# Allegro board MB1219_REVB_160112.brd (continued)
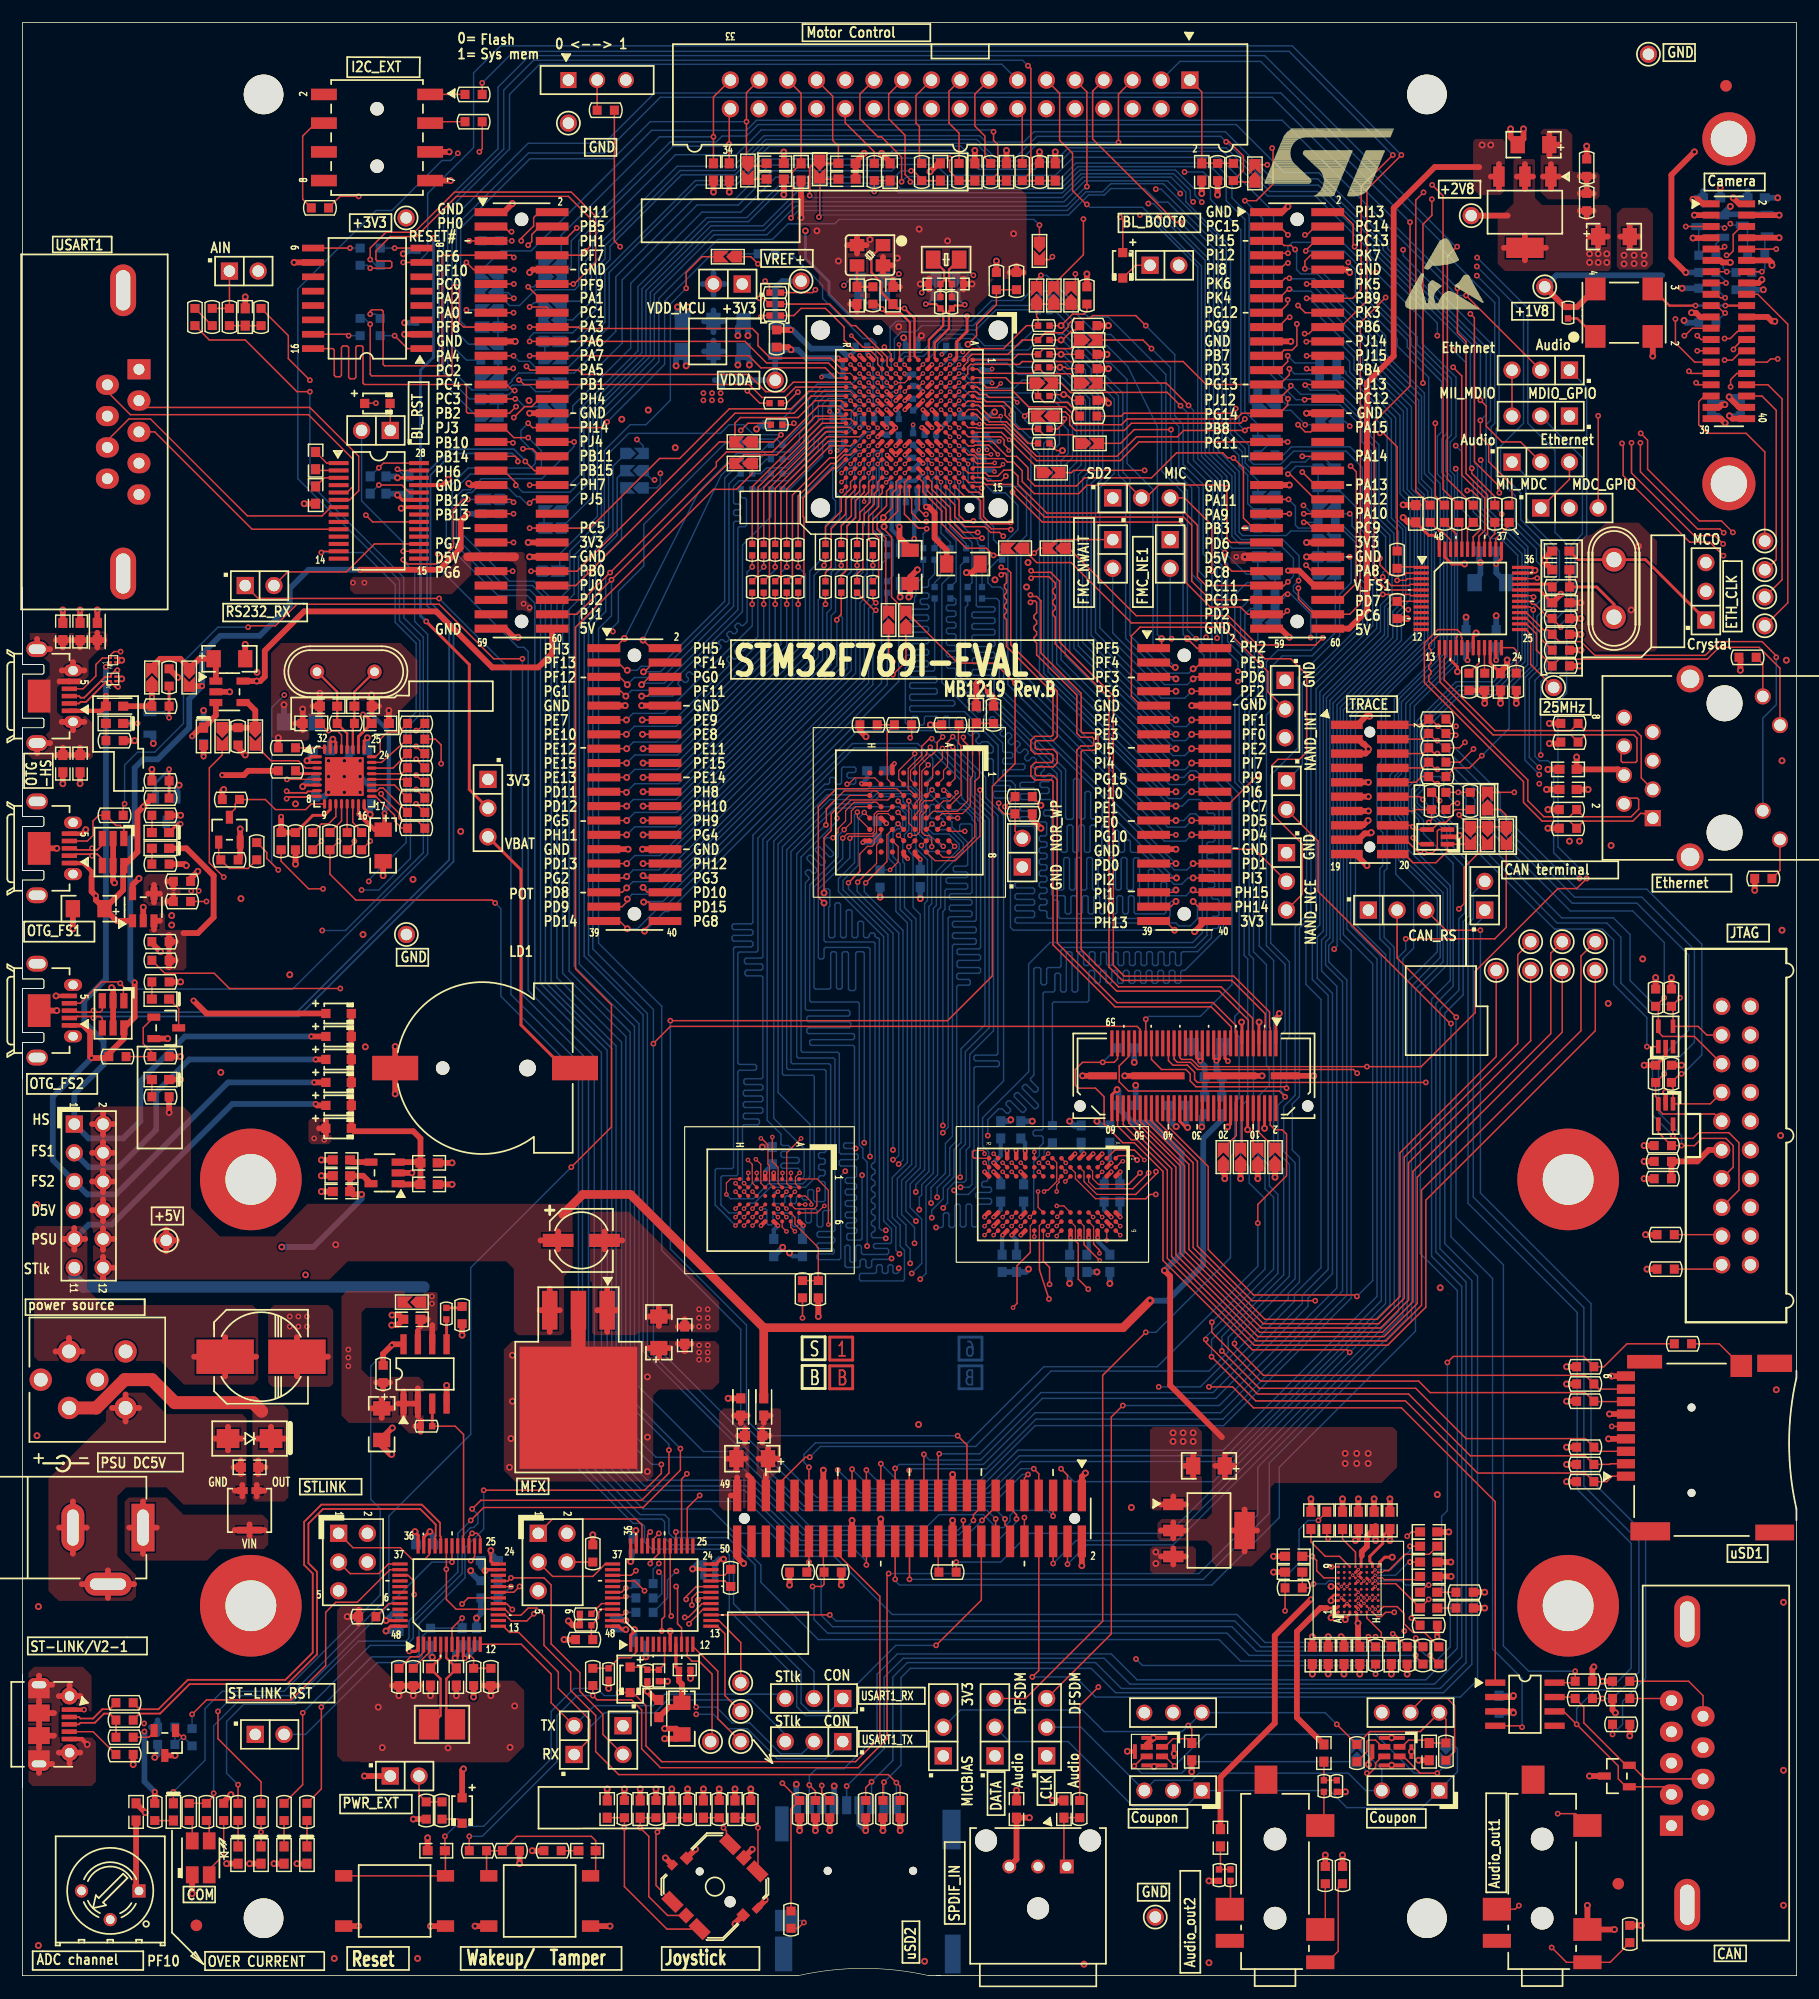
[diagram p0: board, top side]
## Routing (per net, layer and track width the routed paths; a pad name or vN(x,y) marks a point on that pad's centre or on a via; arc(x,y) is an arc through that point) (continued)
D27: length 124.5
  TOP w0.102: v3(95.46,71.89) U15.C2
  TOP w0.127: CN11.34 v4(103.5,97.08)
  L4_SIG w0.102: v3(95.46,71.89) 95.46,72.12 95.94,72.59 95.94,84.58 95.81,84.71 94.61,84.71 94.49,84.84 94.49,86.1 94.61,86.22 95.83,86.22 95.94,86.32 95.94,86.52 95.83,86.62 94.61,86.62 94.49,86.74 94.49,86.91 94.61,87.03 95.83,87.03 95.94,87.13 95.94,87.33 95.83,87.43 94.61,87.43 94.49,87.55 94.49,87.72 94.61,87.84 95.83,87.84 95.94,87.94 95.94,88.15 95.83,88.25 94.61,88.25 94.49,88.37 94.49,88.53 94.61,88.65 95.83,88.65 95.94,88.76 95.94,88.96 95.83,89.06 94.61,89.06 94.49,89.18 94.49,89.35 94.61,89.47 95.83,89.47 95.94,89.57 95.94,89.77 95.83,89.87 94.61,89.87 94.49,89.99 94.49,90.16 94.61,90.28 95.82,90.28 95.94,90.4 95.94,90.75 96.08,90.9 96.08,91.04 95.64,91.48 95.64,91.63 95.78,91.77 95.93,91.77 96.37,91.33 96.51,91.33 96.65,91.47 96.65,91.62 96.21,92.06 96.21,92.2 96.36,92.35 96.5,92.35 96.94,91.9 97.09,91.9 97.23,92.05 97.23,92.19 96.79,92.63 96.79,92.78 96.93,92.92 97.08,92.92 97.52,92.48 97.66,92.48 97.8,92.62 97.8,92.77 97.36,93.21 97.36,93.35 97.51,93.5 97.65,93.5 98.09,93.05 98.24,93.05 98.38,93.2 98.38,93.34 97.94,93.78 97.94,93.93 98.08,94.07 98.23,94.07 98.67,93.63 98.81,93.63 98.96,93.77 98.96,93.92 98.51,94.36 98.51,94.5 98.66,94.65 98.8,94.65 99.24,94.2 99.39,94.2 99.53,94.35 99.53,94.49 99.09,94.93 99.09,95.08 99.23,95.22 99.38,95.22 99.82,94.78 99.96,94.78 100.11,94.92 100.11,95.07 99.66,95.51 99.66,95.65 99.81,95.8 99.95,95.8 100.39,95.35 100.54,95.35 100.68,95.5 100.68,95.64 100.24,96.08 100.24,96.23 100.38,96.37 100.53,96.37 100.97,95.93 101.11,95.93 101.26,96.07 101.26,96.22 100.81,96.66 100.81,96.8 100.96,96.95 101.1,96.95 101.53,96.52 103.28,96.52 103.5,96.75 v4(103.5,97.08)
  BOTTOM w0.127: R284.1 83.57,121.21 83.36,121.01 83.36,114.96 91.85,106.48 91.85,99.47 91.97,99.34 92.24,99.34 92.36,99.47 92.36,101.63 92.49,101.75 92.74,101.75 92.87,101.63 92.87,99.47 93,99.34 93.25,99.34 93.38,99.47 93.38,101.63 93.51,101.75 93.76,101.75 93.89,101.63 93.89,99.47 94.01,99.34 94.27,99.34 94.4,99.47 94.4,101.63 94.52,101.75 94.78,101.75 94.9,101.63 94.9,99.47 95.03,99.34 95.28,99.34 95.41,99.47 95.41,101.63 95.54,101.75 95.79,101.75 95.92,101.63 95.92,99.47 96.05,99.34 96.3,99.34 96.43,99.47 96.43,101.17 96.55,101.3 96.81,101.3 96.94,101.17 96.94,99.47 97.06,99.34 97.32,99.34 97.44,99.47 97.44,100.3 97.57,100.43 97.82,100.43 97.95,100.3 97.95,99.47 98.08,99.34 98.98,99.34 101.8,96.52 102.49,96.52 103.05,97.08 v4(103.5,97.08)
D28: length 125.4
  TOP w0.127: CN11.22 v4(103.38,104.7) ; v3(99.19,72.14) 98.3,73.03 96.6,73.03 U15.B1
  L4_SIG w0.102: v3(99.19,72.14) 99.42,72.36 99.42,74.9 100.2,75.69 100.2,86.24 100.45,86.49 100.45,87.4 100.55,87.5 100.75,87.5 100.85,87.4 100.85,86.64 100.95,86.54 101.16,86.54 101.26,86.64 101.26,88.25 101.38,88.37 101.55,88.37 101.67,88.25 101.67,86.64 101.77,86.54 101.97,86.54 102.07,86.64 102.07,89.06 102.19,89.18 102.36,89.18 102.48,89.06 102.48,86.64 102.58,86.54 102.78,86.54 102.88,86.64 102.88,89.85 103,89.97 103.17,89.97 103.29,89.85 103.29,86.64 103.39,86.54 103.6,86.54 103.7,86.64 103.7,90.69 103.82,90.81 103.98,90.81 104.1,90.69 104.1,86.64 104.21,86.54 104.41,86.54 104.51,86.64 104.51,91.5 104.63,91.62 104.8,91.62 104.92,91.5 104.92,86.64 105.02,86.54 105.23,86.54 105.36,86.66 105.36,100.53 105.23,100.66 103.99,100.66 103.86,100.79 103.86,101.09 103.96,101.2 105.31,101.2 105.41,101.3 105.41,101.5 105.31,101.6 103.96,101.6 103.86,101.7 103.86,101.91 103.96,102.01 105.32,102.01 105.44,102.13 105.44,102.3 105.32,102.41 103.96,102.41 103.86,102.52 103.86,104.57 103.73,104.7 v4(103.38,104.7)
  BOTTOM w0.127: v4(103.38,104.7) 103.05,104.7 102.44,104.09 101.37,104.09 90.3,115.16 90.3,135.51 R254.1
D29: length 126.4
  TOP w0.102: U15.D2 94.61,71.13 94.61,70.48 95.12,69.98 97.73,69.98
  TOP w0.127: CN11.18 v4(103.38,107.24) ; 97.73,69.98 97.79,69.98 v1(98.81,70.99)
  L4_SIG w0.102: v4(103.38,107.24) 104.83,107.24 106.4,105.66 106.4,83.44 107.06,82.78 107.06,73.79 106.4,73.13 106.4,72.09 106.27,71.96 105.91,71.96 105.81,71.86 105.81,69.72 105.69,69.6 105.52,69.6 105.4,69.72 105.4,71.86 105.3,71.96 105.1,71.96 105,71.86 105,70.28 104.9,70.18 104.69,70.18 104.59,70.28 104.59,71.86 104.49,71.96 104.29,71.96 104.18,71.86 104.18,70.28 104.08,70.18 103.88,70.18 103.78,70.28 103.78,71.86 103.68,71.96 103.47,71.96 103.37,71.86 103.37,70.28 103.27,70.18 103.07,70.18 102.96,70.28 102.96,71.86 102.86,71.96 102.66,71.96 102.56,71.86 102.56,70.28 102.46,70.18 102.25,70.18 102.15,70.28 102.15,71.86 102.05,71.96 101.85,71.96 101.75,71.86 101.75,70.28 101.64,70.18 101.44,70.18 101.34,70.28 101.34,71.86 101.24,71.96 101.09,71.96 100.97,71.83 100.97,70.31 100.84,70.18 99.44,70.18 99.26,70 99.26,65.53 99.14,65.41 98.93,65.41 98.81,65.53 v1(98.81,70.99)
  BOTTOM w0.127: R250.1 91.67,138.84 91.67,137.46 92.46,136.68 92.46,134.61 91.82,133.98 91.82,116.38 101.55,106.65 102.79,106.65 v4(103.38,107.24)
D30: length 125.1
  TOP w0.102: U15.D3 94.26,70.21 94.87,69.6 97.73,69.6
  TOP w0.127: 97.73,69.6 98.17,69.6 v1(99.57,70.99) ; CN11.20 v4(103.38,105.97)
  L4_SIG w0.102: v1(99.57,70.99) 100.08,70.48 100.53,70.48 100.66,70.61 100.66,71.52 100.53,71.65 100.23,71.65 100.13,71.75 100.13,74.4 100.25,74.52 100.59,74.52 100.69,74.42 100.69,72.36 100.79,72.26 101,72.26 101.1,72.36 101.1,74.42 101.2,74.52 101.4,74.52 101.5,74.42 101.5,72.36 101.61,72.26 101.81,72.26 101.91,72.36 101.91,74.42 102.01,74.52 102.22,74.52 102.32,74.42 102.32,72.36 102.42,72.26 102.62,72.26 102.72,72.36 102.72,74.42 102.83,74.52 103.03,74.52 103.13,74.42 103.13,72.36 103.23,72.26 103.43,72.26 103.54,72.36 103.54,74.42 103.64,74.52 103.84,74.52 103.94,74.42 103.94,72.36 104.04,72.26 104.25,72.26 104.35,72.36 104.35,74.42 104.45,74.52 104.65,74.52 104.76,74.42 104.76,72.38 104.87,72.26 105.04,72.26 105.16,72.38 105.16,75.06 105.29,75.18 105.49,75.18 105.61,75.06 105.61,72.52 105.74,72.39 105.94,72.39 106.07,72.52 106.07,105.38 105.49,105.97 v4(103.38,105.97)
  BOTTOM w0.127: v4(103.38,105.97) 102.74,105.33 101.42,105.33 91.06,115.7 91.06,134.84 91.68,135.47 91.68,136.82 91.27,137.23 91.27,137.83 R251.1
D31: length 126.4
  TOP w0.102: 97.73,69.09 95,69.09 93.85,70.23 93.85,71.09 U15.E2
  TOP w0.127: CN11.21 v4(101.98,104.7) ; v1(100.21,71.11) 100.21,70.88 98.42,69.09 97.73,69.09
  L4_SIG w0.102: v1(100.21,71.11) 100.2,71.11 99.8,71.51 99.8,74.78 100.72,75.7 100.72,86.06 100.82,86.16 101,86.16 101.13,86.03 101.13,84.07 101.23,83.97 101.43,83.97 101.53,84.07 101.53,86.03 101.66,86.16 101.81,86.16 101.94,86.03 101.94,84.07 102.04,83.97 102.24,83.97 102.34,84.07 102.34,86.03 102.47,86.16 102.62,86.16 102.75,86.03 102.75,84.07 102.85,83.97 103.06,83.97 103.16,84.07 103.16,86.03 103.28,86.16 103.44,86.16 103.56,86.03 103.56,84.07 103.67,83.97 103.87,83.97 103.97,84.07 103.97,86.03 104.1,86.16 104.25,86.16 104.38,86.03 104.38,84.07 104.48,83.97 104.68,83.97 104.78,84.07 104.78,86.03 104.91,86.16 105.11,86.16 105.23,86.03 105.23,84.1 105.36,83.97 105.61,83.97 105.74,84.1 105.74,102.67 105.64,102.77 104.29,102.77 104.19,102.87 104.19,103.07 104.29,103.18 105.64,103.18 105.74,103.28 105.74,103.48 105.64,103.58 104.29,103.58 104.19,103.68 104.19,103.89 104.29,103.99 105.64,103.99 105.74,104.09 105.74,104.29 105.64,104.4 104.29,104.4 104.19,104.5 104.19,104.7 104.29,104.8 105.64,104.8 105.74,104.9 105.74,105.11 105.56,105.28 102.04,105.28 101.98,105.22 v4(101.98,104.7)
  BOTTOM w0.127: v4(101.98,104.7) 101.93,104.65 101.35,104.65 90.68,115.32 90.68,135 91.3,135.62 91.3,136.66 R252.1
DSI_CK_N: length 78.5
  TOP w0.127: U4.H13 v3(78.01,132.89)
  TOP w0.13: v1(89.17,123.58) 89.31,123.72 90.75,123.72 91.31,123.16 91.31,122.79 91.08,122.56 91.08,122.31 91.31,122.08 91.31,121.82 91.08,121.59 91.08,121.33 91.31,121.1 91.31,120.84 91.08,120.61 91.08,120.35 91.31,120.13 91.31,117.78 96.06,113.03 96.06,89.2 97.25,88.01 106.93,88.01 109.88,85.07 109.88,83.87 109.82,83.81 CN15.5
  L4_SIG w0.102: 78.61,131.7 78.61,131.67 78.61,131.67 78.61,131.35 78.2,130.94 78.11,130.84 78.11,130.84 78.09,130.83
  L4_SIG w0.104: 78.61,131.7 78.61,132.94 78.45,133.1 78.22,133.1 v3(78.01,132.89) ; v1(89.17,123.58) 89.04,123.72 88.16,123.72 86.97,122.53 82.16,122.53 77.98,126.72 77.98,128.49 77.88,128.59 77.88,130.61 78.09,130.83
DSI_CK_P: length 78.5
  TOP w0.127: U4.H12 v3(78.01,133.69)
  TOP w0.13: v1(89.17,124.24) 89.31,124.1 90.91,124.1 91.69,123.32 91.69,117.94 96.44,113.19 96.44,89.36 97.41,88.39 107.09,88.39 110.26,85.23 110.26,83.87 110.32,83.81 CN15.3
  L4_SIG w0.102: 78.99,131.7 78.99,131.19 78.38,130.57 78.36,130.56
  L4_SIG w0.104: v1(89.17,124.24) 89.04,124.1 88.01,124.1 86.81,122.91 82.32,122.91 78.36,126.87 78.36,128.65 78.26,128.75 78.26,130.45 78.36,130.56 ; v3(78.01,133.69) 78.22,133.48 78.61,133.48 78.99,133.1 78.99,131.7
DSI_D0_N: length 78.5
  TOP w0.127: v3(77.21,132.89) U4.J13
  TOP w0.13: v1(89.12,121.45) 89.26,121.59 89.5,121.59 89.66,121.43 89.66,120.52 89.43,120.29 89.43,120.04 89.66,119.81 89.66,119.55 89.43,119.32 89.43,119.06 89.66,118.83 89.66,118.57 89.43,118.34 89.43,118.08 89.66,117.86 89.66,116.81 93.22,113.25 93.22,109.87 93.57,109.52 94.59,109.52 94.72,109.39 94.72,108.87 94.59,108.74 93.57,108.74 93.22,108.39 93.22,90.6 96.74,87.07 105.82,87.07 108.38,84.51 108.38,83.52 108.32,83.46 CN15.11
  L4_SIG w0.104: v1(89.12,121.45) 88.98,121.59 80.37,121.59 76.66,125.3 76.66,130.15 76.48,130.33 76.48,130.53 76.66,130.71 76.66,130.94 77.19,131.47 77.19,131.9 76.99,132.1 76.99,132.31 77.19,132.51 77.19,132.86 v3(77.21,132.89)
DSI_D0_P: length 78.5
  TOP w0.127: U4.J12 v3(77.21,133.69)
  TOP w0.13: v1(89.12,122.11) 89.26,121.97 89.66,121.97 90.04,121.59 90.04,116.97 93.6,113.41 93.6,110.03 93.73,109.9 94.75,109.9 95.1,109.55 95.1,108.72 94.75,108.36 93.73,108.36 93.6,108.23 93.6,90.75 96.9,87.45 105.97,87.45 108.76,84.67 108.76,83.55 108.82,83.49 CN15.9
  L4_SIG w0.104: v3(77.21,133.69) 77.22,133.68 77.46,133.19 77.57,132.97 77.57,132.74 77.57,132.74 77.57,131.31 77.04,130.78 77.04,125.46 80.52,121.97 88.98,121.97 v1(89.12,122.11)
DSI_D1_N: length 78.5
  TOP w0.127: U4.F13 v3(80.41,132.89)
  TOP w0.13: v1(86.53,123.89) 86.67,124.03 86.89,124.03 87,123.92 87,123.17 86.82,122.99 86.82,122.74 87,122.56 87,122.3 86.82,122.12 86.82,121.86 87,121.68 87,121.42 86.82,121.25 86.82,120.99 87,120.81 87,120.55 86.82,120.37 86.82,120.11 87,119.94 87,117.55 91.11,113.44 91.11,109.73 90.98,109.6 89.51,109.6 89.15,109.25 89.15,108.41 89.51,108.06 90.98,108.06 91.11,107.93 91.11,107.41 90.98,107.28 89.51,107.28 89.15,106.93 89.15,106.1 89.51,105.74 90.98,105.74 91.11,105.61 91.11,91.16 96.6,85.67 105.1,85.67 106.88,83.9 106.88,83.54 106.82,83.48 CN15.17
  L4_SIG w0.104: v3(80.41,132.89) 80.49,132.8 80.49,132.66 80.21,132.38 80.21,132.18 80.42,131.98 80.42,131.78 78.84,130.21 78.84,127.73 81.78,124.79 84.27,124.79 85.03,124.03 86.39,124.03 v1(86.53,123.89)
DSI_D1_P: length 78.5
  TOP w0.127: U4.F12 v3(80.41,133.69)
  TOP w0.13: v1(86.53,124.55) 86.67,124.41 87.05,124.41 87.38,124.08 87.38,117.71 91.49,113.59 91.49,109.57 91.14,109.22 89.66,109.22 89.53,109.09 89.53,108.57 89.66,108.44 91.14,108.44 91.49,108.09 91.49,107.25 91.14,106.9 89.66,106.9 89.53,106.77 89.53,106.25 89.66,106.13 91.14,106.13 91.49,105.77 91.49,91.32 96.75,86.06 105.26,86.06 107.26,84.05 107.26,83.49 107.32,83.43 CN15.15
  L4_SIG w0.104: v1(86.53,124.55) 86.39,124.41 85.2,124.41 85.1,124.51 85.09,124.51 84.43,125.17 81.94,125.17 79.22,127.89 79.22,130.05 80.8,131.62 80.8,132.94 80.75,133.03 80.58,133.35 v3(80.41,133.69)
DSI_VDD12: length 12
  TOP w0.381: U4.G13 v3(79.61,132.89) ; U4.K12 76.45,134.44 76.45,134.47 v3(76.45,134.48)
  TOP w0.508: v1(77.53,128.14) 77.53,127.19 78.49,126.24 C30.1
  BOTTOM w0.381: C135.1 C134.1 78.11,132.21 ; 77.42,131.99 77.42,132.03 77.6,132.21 78.11,132.21 ; 78.11,132.21 78.93,132.21 v3(79.61,132.89)
  BOTTOM w0.508: v1(77.53,128.14) 77.42,128.26 77.42,131.99
E5V: length 43.6
  TOP w0.508: 3.61,65.15 4.57,65.15 ; 4.57,65.15 4.57,66.12 ; 4.57,65.15 5.54,65.15 ; 4.57,65.15 4.57,64.19 ; 2.91,55.21 L3.3 ; L3.3 5.3,55.21 ; L3.3 4.1,56.4 ; C57.1 17.91,56.46 ; C57.1 17.91,53.01 ; C57.1 15.16,54.74 ; C57.1 20.65,54.74 ; v1(25.91,77.09) 26.04,76.96 D11.1
  BOTTOM w0.508: v1(25.91,77.09) 18.54,77.09 7.87,66.42 5.84,66.42 4.57,65.15
I2C1_SCL_C: length 5.9
  TOP w0.127: v1(150.69,150.69) CN4.13
  BOTTOM w0.127: T5.2 149.73,153.14 R229.2 150.37,151.51 150.37,151.02 v1(150.69,150.69) 151.44,150.69 R235.1
I2C1_SDA_C: length 5.6
  TOP w0.127: v1(153.8,150.69) CN4.14
  BOTTOM w0.127: R234.1 153.73,150.62 v1(153.8,150.69) 154.05,150.95 R227.2 154.05,153.65 T4.2
LCD_B0: length 195.3
  TOP w0.127: v1(112.14,140.61) 112.14,140.49 111.1,139.45 CN6.27 ; v1(81.05,46.15) 80.96,46.06 CN18.21 ; U4.B10 83.62,135.28 84.12,135.28 84.2,135.36 85.44,135.36 86.23,134.56 v3(86.23,134.53)
  L4_SIG w0.102: JP4.1 135,139.7 130.3,139.7 127.13,142.88 118.92,142.88 116.26,140.21 112.73,140.21 112.32,140.61 v1(112.14,140.61) 112.04,140.72 109.98,140.72 108.58,139.32 98.68,139.32 96.65,137.29 95.1,137.29 92.15,134.34 86.42,134.34 v3(86.23,134.53)
  BOTTOM w0.127: v1(81.05,46.15) 84.63,46.15 90.04,51.56 105.26,51.56 113.16,59.46 113.16,60.17 115.44,62.46 115.44,86.69 114.05,88.09 114.05,92.28 114.71,92.94 114.71,113.51 120.07,118.87 120.07,121.21 120.78,121.92 120.78,124.02 120.9,124.14 120.9,127.38 119.66,128.63 119.66,135.08 118.87,135.86 118.87,137.03 116.05,139.85 113,139.85 112.24,140.61 v1(112.14,140.61)
LCD_B1: length 207.1
  TOP w0.127: v1(113.41,140.67) 113.46,140.72 CN6.26 ; U4.B9 83.22,136.49 83.62,136.09 86.51,136.09 86.79,135.81 86.79,135.38 87.12,135.05 87.12,134.94 v3(87.19,134.87) ; v1(79.69,46.1) CN18.23 ; JP8.3 v1(139.32,137.95)
  L4_SIG w0.102: v1(139.32,137.95) 137.01,140.26 130.38,140.26 127.38,143.26 118.67,143.26 116.13,140.72 113.46,140.72 v1(113.41,140.67) 112.8,140.67 112.32,141.15 109.91,141.15 108.46,139.7 98.42,139.7 96.42,137.69 94.95,137.69 92.63,135.38 88.01,135.38 87.5,134.87 v3(87.19,134.87)
  BOTTOM w0.127: v1(79.69,46.1) 80.2,45.59 84.71,45.59 90.17,51.05 105.51,51.05 113.67,59.21 113.67,59.92 115.82,62.08 115.82,86.87 114.48,88.21 114.48,91.85 115.01,92.38 115.01,113.18 120.42,118.59 120.42,121.06 121.09,121.73 121.09,123.89 121.26,124.05 121.26,127.53 119.94,128.85 119.94,135.38 119.19,136.13 119.19,137.22 116.2,140.21 113.87,140.21 v1(113.41,140.67)
LCD_B2: length 179.5
  TOP w0.127: v1(113.51,144.5) 113.49,144.53 CN6.20 ; v1(78.4,44.68) 78.4,42.49 CN18.25 ; U4.C9 v3(82.81,136.09)
  L4_SIG w0.102: v1(113.51,144.5) 113.87,144.86 113.87,145.36 113.59,145.64 110.34,145.64 106.81,142.11 97.03,142.11 96.39,141.48 95.25,141.48 92.2,138.43 90.04,138.43 88.65,137.03 86.06,137.03 85.11,136.09 v3(82.81,136.09)
  BOTTOM w0.127: v1(113.51,144.5) 113.49,144.53 116.33,144.53 117.73,143.13 117.73,142.04 121.79,137.97 121.79,131.06 122.68,130.18 122.68,121.67 121.54,120.52 121.54,118.21 115.87,112.55 115.87,91.49 115.49,91.11 115.49,89.66 117.09,88.06 117.09,60.17 106.13,49.21 89.6,49.21 85.22,44.83 78.55,44.83 v1(78.4,44.68)
LCD_B3: length 178.1
  TOP w0.127: v1(77.15,44.86) CN18.27 ; U4.D10 v3(82.01,135.29) ; CN6.22 v1(113.54,143.26)
  L4_SIG w0.102: v1(113.54,143.26) 112.9,143.89 109.98,143.89 107.31,141.22 97.16,141.22 96.24,140.31 95.78,140.31 92.25,136.78 86.33,136.78 85.29,135.73 82.45,135.73 v3(82.01,135.29)
  BOTTOM w0.127: v1(113.54,143.26) 116.84,143.26 117.35,142.75 117.35,141.83 121.41,137.76 121.41,128.91 122.3,128.02 122.3,121.79 121.16,120.65 121.16,118.34 115.6,112.78 115.6,91.8 115.21,91.41 115.21,89.38 116.71,87.88 116.71,60.55 105.94,49.78 89.53,49.78 84.96,45.21 77.51,45.21 v1(77.15,44.86)
LCD_B4: length 187.7
  TOP w0.127: U4.D8 v3(82.01,136.89) ; CN18.29 v1(75.88,45.28) ; v1(112.78,147.7) 113.41,147.07 CN6.16
  L4_SIG w0.102: v3(82.01,136.89) 82.41,137.29 83.62,137.29 84.1,136.8 84.73,136.8 84.96,137.03 84.96,139.17 85.62,139.83 86.74,139.83 87.38,140.46 89.28,140.46 90.3,141.48 91.77,141.48 95.71,145.41 107.04,145.41 109.32,147.7 v1(112.78,147.7)
  BOTTOM w0.127: v1(112.78,147.7) 113.41,147.07 114.35,147.07 118.11,143.3 118.11,142.33 122.09,138.35 122.09,131.35 123.06,130.38 123.06,118.72 116.51,112.17 116.51,91.64 117.47,90.68 117.47,59.92 106.2,48.64 89.53,48.64 84.71,43.81 77.34,43.81 v1(75.88,45.28)
LCD_B5: length 191.7
  TOP w0.127: U4.D7 v3(81.21,138.49) ; CN18.31 v1(74.61,44.72) ; CN6.13 111.1,148.34 111.91,149.15 v1(112.01,149.15)
  L4_SIG w0.102: v3(81.21,138.49) 81.65,138.93 83.18,138.93 85.47,141.22 86.11,141.22 86.74,141.86 88.14,141.86 91.57,145.29 92.71,145.29 94.74,147.32 107.11,147.32 108.94,149.15 v1(112.01,149.15)
  BOTTOM w0.127: v1(112.01,149.15) 112.19,149.15 112.37,148.97 113.91,148.97 118.87,144.01 118.87,142.68 122.81,138.74 122.81,131.5 123.62,130.68 123.62,118.26 117.09,111.73 117.09,92.58 119.76,89.92 119.76,60.07 106.17,46.48 88.01,46.48 84.96,43.43 75.9,43.43 v1(74.61,44.72)
LCD_B6: length 192.5
  TOP w0.127: CN18.33 v1(73.34,44.79) ; U4.C6 v3(82.81,139.29) ; CN6.12 v1(113.54,149.61)
  L4_SIG w0.102: v1(113.54,149.61) 108.51,149.61 106.73,147.83 94.61,147.83 93.73,146.94 91.95,146.94 87.5,142.49 86.87,142.49 85.98,141.6 85.13,141.6 v3(82.81,139.29)
  BOTTOM w0.127: v1(113.54,149.61) 113.96,149.61 119.38,144.19 119.38,142.75 123.19,138.94 123.19,131.7 123.95,130.94 123.95,118.01 117.42,111.48 117.42,92.84 120.14,90.12 120.14,59.69 106.43,45.97 88.14,45.97 85.22,43.05 75.08,43.05 v1(73.34,44.79)
LCD_B7: length 195.7
  TOP w0.127: v1(112.01,150.11) 111.63,150.11 111.12,149.61 CN6.11 ; CN18.35 v1(72.07,44.73) ; U4.C5 v3(82.81,140.09)
  L4_SIG w0.102: v1(112.01,150.11) 111.89,150.24 108.51,150.24 106.5,148.23 94.39,148.23 93.47,147.32 91.69,147.32 87.27,142.9 85.37,142.9 82.81,140.34 v3(82.81,140.09)
  BOTTOM w0.127: v1(112.01,150.11) 112.14,150.11 112.19,150.06 114.22,150.06 119.76,144.53 119.76,143.01 123.44,139.32 123.44,132.08 124.26,131.27 124.26,117.88 117.86,111.48 117.86,92.96 120.52,90.3 120.52,59.44 106.55,45.47 88.27,45.47 85.47,42.67 74.13,42.67 v1(72.07,44.73)
LCD_BL_CTRL: length 141.3
  TOP w0.127: CN15.53 97.82,81.31 96.96,80.45 96.96,79.06 97.79,78.23 111.12,78.23 v1(111.63,77.72) ; v1(69.6,45.85) 69.22,45.85 66.99,43.62 CN18.43
  BOTTOM w0.127: SB74.1 116.08,118.77 114.02,116.71 111.38,116.71 110.49,115.82 110.49,112.01 109.98,111.51 109.98,91.08 111.63,89.43 111.63,83.57 111.25,83.19 111.25,78.26 111.63,77.88 v1(111.63,77.72) 111.63,77.6 111,76.96 111,72.77 112.01,71.75 112.01,61.85 106.6,56.44 106.6,55.17 104.9,53.47 90.93,53.47 84.26,46.8 70.55,46.8 v1(69.6,45.85)
LCD_G0: length 167
  TOP w0.127: v1(93.09,150.5) 93.09,149.73 SB8.1 ; CN18.4 v1(92.39,36.39)
  L4_SIG w0.102: v1(117.22,151.51) 117.09,151.64 113.28,151.64 112.65,151 107.82,151 106.55,149.73 93.85,149.73 v1(93.09,150.5)
  BOTTOM w0.127: v1(92.39,36.39) 94.11,38.1 101.73,38.1 122.05,58.42 122.05,89.92 123,90.87 123,95.82 121.41,97.41 121.41,101.73 120.9,102.23 120.9,106.17 121.28,106.55 121.28,112.9 125.35,116.97 125.35,131.95 124.33,132.97 124.33,141.35 124.14,141.54 121.54,144.15 121.54,144.78 117.86,148.46 117.86,150.88 v1(117.22,151.51)
LCD_G1: length 91.7
  TOP w0.127: CN18.6 v1(91.12,36.45) ; v1(122.3,91.69) 130.18,91.69 131.19,92.71 SB28.1
  BOTTOM w0.127: v1(122.3,91.69) 122.3,90.71 121.67,90.07 121.67,58.7 101.44,38.48 93.15,38.48 v1(91.12,36.45)
LCD_G2: length 323.3
  TOP w0.102: U4.P3 73.19,141.71 72.16,141.71 71.63,142.24
  TOP w0.127: 71.63,142.24 71.25,142.62 65.79,142.62 63.88,144.53 CN5.20 v1(44.83,144.53) ; v1(106.43,162.18) 106.68,162.18 107.95,160.91 107.95,159.64 R14.2 107.19,158.62 SB3.2 ; CN18.8 89.85,26.99 v1(89.28,26.42)
  BOTTOM w0.127: v1(44.83,144.53) 44.83,144.91 45.21,145.29 48.64,145.29 50.72,147.37 50.72,151.05 51.5,151.83 51.5,153 58.14,159.64 62.97,159.64 65.71,162.38 84.38,162.38 85.93,160.83 87.86,160.83 89.69,162.66 105.94,162.66 v1(106.43,162.18) 110.26,158.34 114.58,158.34 119.94,152.98 119.94,152.48 128.4,144.02 128.4,133.73 128.65,133.48 128.65,129.62 130.3,127.97 130.99,127.97 132.84,126.11 132.84,116.2 130.3,113.67 127,113.67 123.83,110.49 123.83,104.9 123.32,104.39 123.32,103.7 123.7,103.31 124.09,103.31 125.92,101.49 125.92,100.39 127.89,98.42 127.89,93.73 127.38,93.22 127.38,86.74 125.76,85.12 125.76,64.74 128.65,61.85 128.65,26.16 127.13,24.64 94.87,24.64 93.09,26.42 v1(89.28,26.42)
LCD_G3: length 195.8
  TOP w0.127: v1(113.28,128.52) 113.56,128.52 114.07,128.02 CN6.46 ; CN4.26 152.08,144.69 151.28,143.89 v1(151.28,143.81) ; CN18.10 v1(88.58,40.51) ; U4.F14 80.39,132.11 80.39,131.44 82.04,129.79 82.04,128.78 83.19,127.64 v1(84.45,127.64)
  L4_SIG w0.102: v1(117.35,129.29) 118.36,129.29 121.74,132.66 141.33,132.66 147.96,139.29 147.96,140.08 149.86,141.99 151.13,141.99 151.64,142.49 151.64,143.46 v1(151.28,143.81) ; v1(84.45,127.64) 85.72,127.64 86.51,126.85 92.56,126.85 94.23,128.52 106.17,128.52 107.62,129.97 110.59,129.97 112.04,128.52 v1(113.28,128.52) ; v1(100.46,52.07) 100.14,52.07 v1(88.58,40.51)
  BOTTOM w0.127: v1(100.46,52.07) 104.14,52.07 111.91,59.84 111.91,60.35 112.9,61.34 112.9,72.39 112.27,73.03 112.27,77.09 112.9,77.72 112.9,92.63 113.92,93.65 113.92,113.92 119.38,119.38 119.38,122.94 118.62,123.7 118.62,127.13 117.55,128.19 117.55,129.08 v1(117.35,129.29) 115.6,129.29 115.34,129.03 114.94,129.03 R264.2 114.43,128.52 v1(113.28,128.52)
LCD_G4: length 119.7
  TOP w0.127: v1(86.87,40.39) 86.87,39.88 87.31,39.43 CN18.12
  BOTTOM w0.127: SB63.1 52.96,131.19 52.96,127.06 51.12,125.22 51.12,120.71 50.04,119.63 50.04,90.3 55.24,85.09 55.24,55.37 69.09,41.53 85.72,41.53 v1(86.87,40.39)
LCD_G5: length 120.8
  TOP w0.127: CN18.14 v1(86.04,40.39)
  BOTTOM w0.127: 53.21,133.1 52.58,132.46 52.58,127.38 50.67,125.48 50.67,120.9 49.66,119.89 49.66,90.17 54.86,84.96 54.86,55.21 68.93,41.15 85.28,41.15 v1(86.04,40.39)
LCD_G6: length 244.5
  TOP w0.127: U4.F3 v3(80.41,141.69) ; v1(27.94,100.33) R122.2 27.18,97.41 29.46,95.12 41.53,95.12 v1(41.78,94.87) ; v1(44.09,153.42) 44.09,153.64 45.18,154.73 45.18,155.47 45.67,155.96 CN5.2 ; CN18.16 84.77,33.21 v1(80.77,29.21)
  L4_SIG w0.102: v3(80.41,141.69) 80.14,141.69 79.76,141.3 79.27,141.3 79.12,141.45 79.12,142.37 78,143.48 77.6,143.48 77.11,143.97 77.11,144.25 76.58,144.78 76.58,145.92 75.95,146.56 74.35,146.56 68,152.91 54.99,152.91 54.36,153.54 44.22,153.54 v1(44.09,153.42) 43.64,152.96 42.55,152.96 35.84,146.25 35.84,145.69 34.42,144.27 34.42,112.52 31.24,109.35 31.24,102.23 29.97,100.97 28.57,100.97 28.45,101.09 28.45,102.23 28.32,102.36 28.07,102.36 27.94,102.23 v1(27.94,100.33)
  BOTTOM w0.127: v1(41.78,94.87) 42.29,94.36 42.29,86.61 49.15,79.76 49.15,44.83 53.98,40.01 54.74,40.01 54.99,39.75 54.99,38.35 55.63,37.72 61.98,37.72 62.48,37.21 62.48,32.26 68.45,26.29 68.45,23.79 69.25,22.99 73.05,22.99 73.79,23.73 73.79,25.78 77.22,29.21 v1(80.77,29.21)
LCD_G7: length 149.5
  TOP w0.127: v1(58.67,149.22) 58.67,150.62 60.07,152.02 SB5.1 ; CN18.18 83.5,39.24 83.19,39.56 v1(83.19,40.26)
  BOTTOM w0.127: v1(83.19,40.26) 83.19,39.88 82.68,39.37 69.22,39.37 62.74,45.85 56.01,45.85 53.34,48.51 53.34,83.06 47.75,88.65 47.75,121.16 48.77,122.17 48.77,125.6 51.44,128.27 51.44,134.87 53.72,137.16 55.12,137.16 57.28,139.32 57.28,147.83 v1(58.67,149.22)
LCD_INT: length 84.4
  TOP w0.127: v1(58.74,44.39) 58.27,43.91 U22.27 ; v1(109.22,66.55) 109.22,68.2 111.76,70.74 111.76,74.42 111.38,74.8 110.74,74.8 110.32,75.23 CN15.4 ; CN18.39 v1(69.53,44.96)
  L4_SIG w0.102: v1(58.74,44.39) 59.18,44.83 69.41,44.83 v1(69.53,44.96)
  BOTTOM w0.127: v1(69.53,44.96) 69.09,45.4 69.09,46.1 70.1,47.12 83.57,47.12 90.3,53.85 100.33,53.85 109.22,62.74 v1(109.22,66.55)
LCD_R0: length 185.8
  TOP w0.127: v1(91.82,44.83) 92.39,44.26 CN18.3 ; SB4.1 90.81,151.76 v1(91.06,152.02) ; CN6.5 111.12,153.42 111.53,153.01 112.17,153.01 v1(112.52,152.65) ; U4.G4 v3(79.61,140.89)
  L4_SIG w0.102: v1(112.52,152.65) 112.42,152.76 110.64,152.76 110.16,153.24 92.28,153.24 v1(91.06,152.02) 87.96,148.92 85.42,148.92 83.77,147.27 82.37,147.27 80.85,145.75 80.85,141.62 80.56,141.33 80.24,141.33 79.8,140.89 v3(79.61,140.89)
  BOTTOM w0.127: v1(112.52,152.65) 112.65,152.53 112.65,150.88 113.03,150.5 114.48,150.5 120.14,144.84 120.14,143.22 123.7,139.66 123.7,132.33 124.59,131.44 124.59,117.68 120.14,113.23 120.14,107.31 119.76,106.93 119.76,101.6 120.27,101.09 120.27,98.17 120.02,97.92 120.02,91.69 120.9,90.81 120.9,59.31 105.28,43.69 92.96,43.69 v1(91.82,44.83)
LCD_R1: length 154.2
  TOP w0.127: CN5.54 48.91,122.94 v1(50.13,124.16) 61.61,135.64 SB13.1 62.99,137.31 63.47,137.79 68.58,137.79 70.08,139.29 72.4,139.29 U4.R6 ; v1(91.12,40.64) CN18.5
  BOTTOM w0.127: v1(91.12,40.64) 90.61,41.15 87.76,41.15 87.31,40.7 87.31,40.2 86.74,39.62 86.11,39.62 84.96,40.77 81.03,40.77 80.01,39.75 69.6,39.75 62.99,46.35 60.2,46.35 54.5,52.05 54.5,84.18 49.23,89.46 49.23,120.22 50.13,121.12 v1(50.13,124.16)
LCD_R2: length 145.7
  TOP w0.102: 71.63,137.92 72.64,137.92 U4.R7
  TOP w0.127: 71.63,137.92 70.1,137.92 66.67,134.49 63.75,134.49 SB15.1 62.36,133.73 v1(52.07,123.44) 49.02,120.4 CN5.58 ; CN18.7 89.85,44.39 v1(89.41,44.83)